# Altium PCB CHAHARDOLI-7 ADAD METAL.PcbDoc (part 5 of 10)
Units mm, origin at the board's own origin, x right, y up, seen from the top; angles counter-clockwise.
Board outline 151 x 86.38 mm, 2 copper layers (Top Layer, Bottom Layer); 1512 components, 81 nets, 3736 pads, 768 vias.
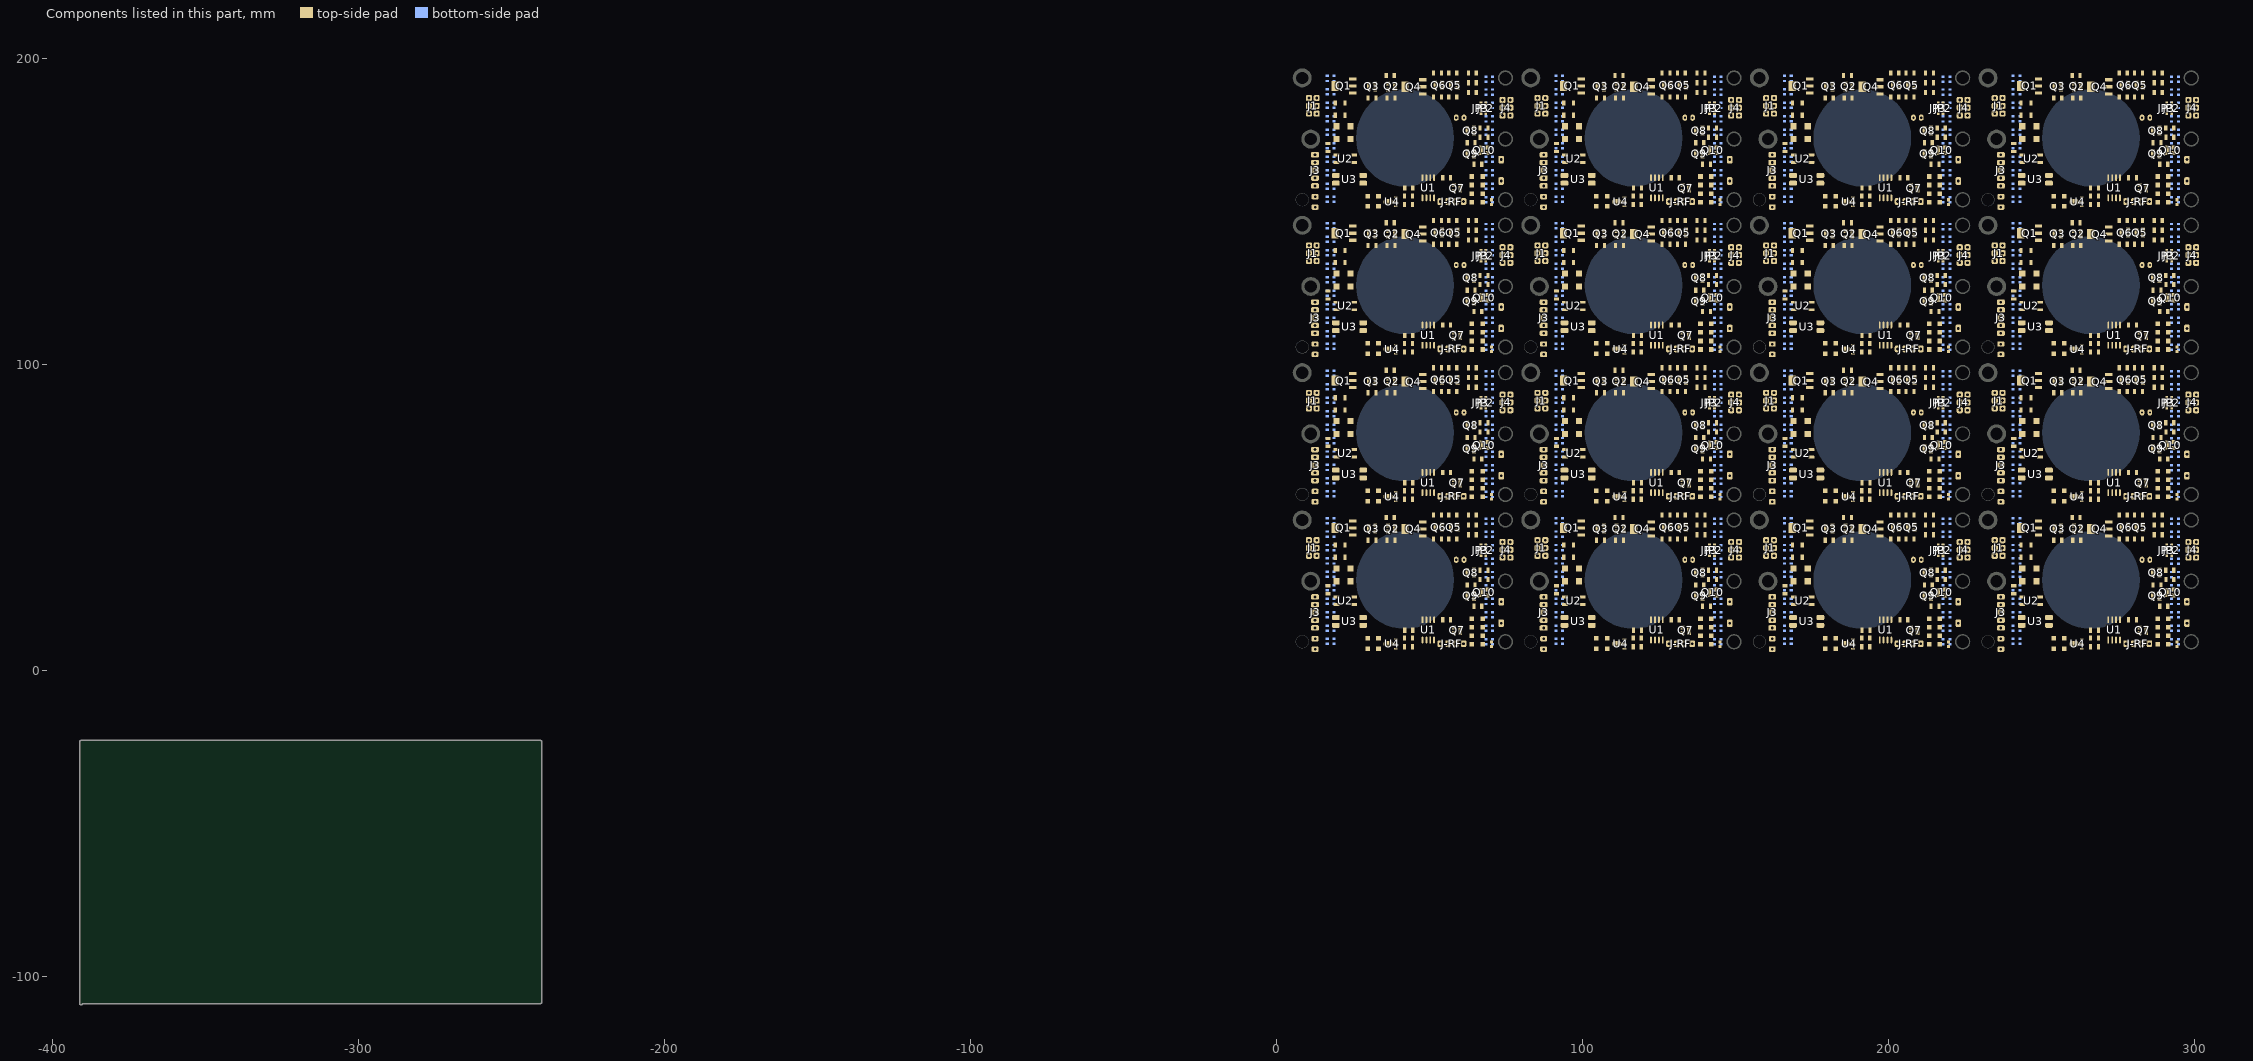
[diagram p5: the components of this part, seen from the top]

## Via types
v1: diameter 1.2, hole 0.6, Top Layer to Bottom Layer, 496 vias
v2: diameter 1, hole 0.6, Top Layer to Bottom Layer, 128 vias
v3: diameter 0.9, hole 0.6, Top Layer to Bottom Layer, 128 vias
v4: diameter 1.27, hole 0.6, Top Layer to Bottom Layer, 16 vias

## Nets (pads, with @x,y where several pads share a name; then routed paths per layer and width w, separated by ;. In a path a pad name is that pad's centre, name@x,y a point inside that pad or via, vN(x,y) a via of type N, cw(c..) or ccw(c..) an arc to the next point about the centre after c; other vN are vias at no path point) (continued)
copper on no net: (continued)
  Top Layer w0.5: 143.024,39.41 143.024,39.129 143.224,38.929 143.804,38.929 146.024,36.71 146.024,35.71 146.824,34.91 150.731,34.91 151.024,35.203 151.024,36.83 151.024,39.37 151.024,41.91 ; 143.024,87.555 143.024,87.275 143.224,87.075 143.804,87.075 146.024,84.855 146.024,83.855 146.824,83.055 150.731,83.055 151.024,83.348 151.024,84.975 151.024,87.515 151.024,90.055 ; 143.024,135.7 143.024,135.42 143.224,135.22 143.804,135.22 146.024,133 146.024,132 146.824,131.2 150.731,131.2 151.024,131.493 151.024,133.12 151.024,135.66 151.024,138.2 ; 143.024,183.845 143.024,183.565 143.224,183.365 143.804,183.365 146.024,181.145 146.024,180.145 146.824,179.345 150.731,179.345 151.024,179.638 151.024,181.265 151.024,183.805 151.024,186.345 ; 143.444,33.31 143.744,33.01 143.744,32.41 143.444,32.11 143.224,32.11 142.424,31.31 142.424,27.91 143.449,26.885 143.449,26.71 143.699,26.46 ; 143.724,29.71 143.892,29.542 143.892,28.442 147.774,24.56 149.374,24.56 150.224,23.71 150.224,21.41 148.17,19.356 148.17,18.456 v1(148.024,18.31) ; 143.724,77.855 143.892,77.687 143.892,76.587 147.774,72.705 149.374,72.705 150.224,71.855 150.224,69.555 148.17,67.501 148.17,66.601 v1(148.024,66.455) ; 143.724,126 143.892,125.832 143.892,124.732 147.774,120.85 149.374,120.85 150.224,120 150.224,117.7 148.17,115.646 148.17,114.746 v1(148.024,114.6) ; 143.724,174.145 143.892,173.978 143.892,172.877 147.774,168.995 149.374,168.995 150.224,168.145 150.224,165.845 148.17,163.791 148.17,162.891 v1(148.024,162.745) ; 144.824,9.31 144.824,14.11 146.124,15.41 148.024,15.41 ; 144.824,57.455 144.824,62.255 146.124,63.555 148.024,63.555 ; 144.824,105.6 144.824,110.4 146.124,111.7 148.024,111.7 ; 144.824,153.745 144.824,158.545 146.124,159.845 148.024,159.845 ; 156.312,46.91 156.312,37.71 157.244,36.777 157.25,36.777 v1@157.608,36.42 ; 156.312,95.055 156.312,85.855 157.244,84.922 157.25,84.922 v1@157.608,84.565 ; 156.312,143.2 156.312,134 157.244,133.067 157.25,133.067 v1@157.608,132.71 ; 156.312,191.345 156.312,182.145 157.244,181.213 157.25,181.213 v1@157.608,180.855 ; 156.512,47.71 156.56,47.662 156.56,46.91 ; 156.512,95.855 156.56,95.807 156.56,95.055 ; 156.512,144 156.56,143.952 156.56,143.2 ; 156.512,192.145 156.56,192.097 156.56,191.345 ; 160.512,28.91 163.112,28.91 163.169,28.852 164.17,28.852 165.387,27.636 165.712,27.636 ; 160.512,77.055 163.112,77.055 163.169,76.997 164.17,76.997 165.387,75.781 165.712,75.781 ; 160.512,125.2 163.112,125.2 163.169,125.143 164.17,125.143 165.387,123.926 165.712,123.926 ; 160.512,173.345 163.112,173.345 163.169,173.288 164.17,173.288 165.387,172.071 165.712,172.071 ; 161.912,16.37 163.962,16.37 164.512,16.92 164.512,20.11 165.912,21.51 168.912,21.51 ; 161.912,21.45 162.34,21.878 163.88,21.878 165.66,23.658 165.66,24.988 165.712,25.04 ; 161.912,23.99 162.204,23.99 162.838,24.625 162.838,25.036 164.112,26.31 169.512,26.31 170.712,27.51 170.712,31.51 169.662,32.56 169.462,32.56 168.712,33.31 ; 161.912,64.515 163.962,64.515 164.512,65.065 164.512,68.255 165.912,69.655 168.912,69.655 ; 161.912,69.595 162.34,70.023 163.88,70.023 165.66,71.803 165.66,73.133 165.712,73.185 ; 161.912,72.135 162.204,72.135 162.838,72.77 162.838,73.181 164.112,74.455 169.512,74.455 170.712,75.655 170.712,79.655 169.662,80.705 169.462,80.705 168.712,81.455 ; 161.912,112.66 163.962,112.66 164.512,113.21 164.512,116.4 165.912,117.8 168.912,117.8 ; 161.912,117.74 162.34,118.169 163.88,118.169 165.66,119.948 165.66,121.278 165.712,121.33 ; 161.912,120.28 162.204,120.28 162.838,120.915 162.838,121.327 164.112,122.6 169.512,122.6 170.712,123.8 170.712,127.8 169.662,128.85 169.462,128.85 168.712,129.6 ; 161.912,160.805 163.962,160.805 164.512,161.355 164.512,164.545 165.912,165.945 168.912,165.945 ; 161.912,165.885 162.34,166.314 163.88,166.314 165.66,168.093 165.66,169.423 165.712,169.475 ; 161.912,168.425 162.204,168.425 162.838,169.06 162.838,169.472 164.112,170.745 169.512,170.745 170.712,171.945 170.712,175.945 169.662,176.995 169.462,176.995 168.712,177.745 ; 168.074,17.31 171.312,17.31 173.112,15.51 173.112,12.71 ; 168.074,65.455 171.312,65.455 173.112,63.655 173.112,60.855 ; 168.074,113.6 171.312,113.6 173.112,111.8 173.112,109 ; 168.074,161.745 171.312,161.745 173.112,159.945 173.112,157.145 ; 168.092,15.11 168.692,14.51 v1(171.312,14.51) ; 168.092,63.255 168.692,62.655 v1(171.312,62.655) ; 168.092,111.4 168.692,110.8 v1(171.312,110.8) ; 168.092,159.545 168.692,158.945 v1(171.312,158.945) ; 168.912,23.96 169.412,23.96 169.617,24.165 169.617,24.59 171.712,26.685 171.712,34.11 170.112,35.71 170.112,37.825 171.494,39.207 171.494,40.659 171.712,40.877 ; 168.912,72.105 169.412,72.105 169.617,72.31 169.617,72.735 171.712,74.83 171.712,82.255 170.112,83.855 170.112,85.97 171.494,87.352 171.494,88.804 171.712,89.022 ; 168.912,120.25 169.412,120.25 169.617,120.455 169.617,120.88 171.712,122.975 171.712,130.4 170.112,132 170.112,134.115 171.494,135.497 171.494,136.949 171.712,137.167 ; 168.912,168.395 169.412,168.395 169.617,168.6 169.617,169.025 171.712,171.12 171.712,178.545 170.112,180.145 170.112,182.26 171.494,183.642 171.494,185.094 171.712,185.312 ; 173.262,33.31 173.262,35.26 175.312,37.31 175.312,41.51 v1(176.312,42.51) ; 173.262,81.455 173.262,83.405 175.312,85.455 175.312,89.655 v1(176.312,90.655) ; 173.262,129.6 173.262,131.55 175.312,133.6 175.312,137.8 v1(176.312,138.8) ; 173.262,177.745 173.262,179.695 175.312,181.745 175.312,185.945 v1(176.312,186.945) ; 174.512,44.31 177.512,44.31 178.712,43.11 178.936,43.11 179.281,42.765 179.281,42.54 ; 174.512,92.455 177.512,92.455 178.712,91.255 178.936,91.255 179.281,90.91 179.281,90.685 ; 174.512,140.6 177.512,140.6 178.712,139.4 178.936,139.4 179.281,139.055 179.281,138.83 ; 174.512,188.745 177.512,188.745 178.712,187.545 178.936,187.545 179.281,187.2 179.281,186.976 ; v1(177.512,49.71) 179.112,49.71 181.312,47.51 181.337,47.51 181.437,47.41 181.437,47.385 181.687,47.135 181.687,46.96 ; v1(177.512,97.855) 179.112,97.855 181.312,95.655 181.337,95.655 181.437,95.555 181.437,95.53 181.687,95.28 181.687,95.105 ; v1(177.512,146) 179.112,146 181.312,143.8 181.337,143.8 181.437,143.7 181.437,143.675 181.687,143.425 181.687,143.25 ; v1(177.512,194.145) 179.112,194.145 181.312,191.945 181.337,191.945 181.437,191.845 181.437,191.82 181.687,191.57 181.687,191.395 ; 179.049,6.997 179.662,7.61 179.662,7.66 182.712,10.71 187.362,10.71 187.962,10.11 188.312,10.11 ; 179.049,55.142 179.662,55.755 179.662,55.805 182.712,58.855 187.362,58.855 187.962,58.255 188.312,58.255 ; 179.049,103.287 179.662,103.9 179.662,103.95 182.712,107 187.362,107 187.962,106.4 188.312,106.4 ; 179.049,151.432 179.662,152.045 179.662,152.095 182.712,155.145 187.362,155.145 187.962,154.545 188.312,154.545 ; 179.387,45.06 179.787,45.06 179.787,44.855 181.532,43.11 181.744,42.898 ; 179.387,93.205 179.787,93.205 179.787,93 181.532,91.255 181.744,91.043 ; 179.387,141.35 179.787,141.35 179.787,141.145 181.532,139.4 181.744,139.188 ; 179.387,189.495 179.787,189.495 179.787,189.291 181.532,187.545 181.744,187.333 ; 181.587,45.36 181.669,45.278 182.744,45.278 184.912,43.11 185.136,43.11 185.411,42.835 185.411,42.51 ; 181.587,93.505 181.669,93.423 182.744,93.423 184.912,91.255 185.136,91.255 185.411,90.98 185.411,90.655 ; 181.587,141.65 181.669,141.568 182.744,141.568 184.912,139.4 185.136,139.4 185.411,139.125 185.411,138.8 ; 181.587,189.795 181.669,189.713 182.744,189.713 184.912,187.545 185.136,187.545 185.411,187.27 185.411,186.945 ; 185.012,8.51 188.112,8.51 ; 185.012,56.655 188.112,56.655 ; 185.012,104.8 188.112,104.8 ; 185.012,152.945 188.112,152.945 ; 185.211,49.91 185.211,49.585 185.512,49.284 185.512,47.535 185.537,47.51 ; 185.211,98.055 185.211,97.73 185.512,97.429 185.512,95.68 185.537,95.655 ; 185.211,146.2 185.211,145.875 185.512,145.574 185.512,143.825 185.537,143.8 ; 185.211,194.345 185.211,194.02 185.512,193.72 185.512,191.97 185.537,191.945 ; 188.007,47.379 188.007,43.035 188.282,43.31 194.512,43.31 195.712,42.11 198.312,42.11 199.312,41.11 205.112,41.11 205.512,41.51 205.512,42.927 ; 188.007,95.524 188.007,91.18 188.282,91.455 194.512,91.455 195.712,90.255 198.312,90.255 199.312,89.255 205.112,89.255 205.512,89.655 205.512,91.072 ; 188.007,143.669 188.007,139.325 188.282,139.6 194.512,139.6 195.712,138.4 198.312,138.4 199.312,137.4 205.112,137.4 205.512,137.8 205.512,139.217 ; 188.007,191.814 188.007,187.47 188.282,187.745 194.512,187.745 195.712,186.545 198.312,186.545 199.312,185.545 205.112,185.545 205.512,185.945 205.512,187.362 ; 188.112,8.61 189.012,8.61 189.562,9.16 189.562,12.617 189.855,12.91 190.967,12.91 ; 188.112,56.755 189.012,56.755 189.562,57.305 189.562,60.762 189.855,61.055 190.967,61.055 ; 188.112,104.9 189.012,104.9 189.562,105.45 189.562,108.907 189.855,109.2 190.967,109.2 ; 188.112,153.045 189.012,153.045 189.562,153.595 189.562,157.052 189.855,157.345 190.967,157.345 ; 191.242,13.185 191.242,13.435 ; 191.242,61.33 191.242,61.58 ; 191.242,109.475 191.242,109.725 ; 191.242,157.62 191.242,157.87 ; 191.312,13.435 191.312,14.817 191.605,15.11 195.512,15.11 196.712,13.91 204.712,13.91 206.357,12.265 207.062,12.265 207.412,11.915 207.412,11.003 207.705,10.71 209.92,10.71 210.213,10.417 210.213,9.208 210.712,8.71 ; 191.312,61.58 191.312,62.962 191.605,63.255 195.512,63.255 196.712,62.055 204.712,62.055 206.357,60.41 207.062,60.41 207.412,60.06 207.412,59.148 207.705,58.855 209.92,58.855 210.213,58.562 210.213,57.353 210.712,56.855 ; 191.312,109.725 191.312,111.107 191.605,111.4 195.512,111.4 196.712,110.2 204.712,110.2 206.357,108.555 207.062,108.555 207.412,108.205 207.412,107.293 207.705,107 209.92,107 210.213,106.707 210.213,105.499 210.712,105 ; 191.312,157.87 191.312,159.252 191.605,159.545 195.512,159.545 196.712,158.345 204.712,158.345 206.357,156.7 207.062,156.7 207.412,156.35 207.412,155.438 207.705,155.145 209.92,155.145 210.213,154.852 210.213,153.644 210.712,153.145 ; 191.517,12.71 191.517,12.51 191.717,12.51 193.317,10.91 193.507,10.91 193.782,10.635 193.782,10.31 ; 191.517,60.855 191.517,60.655 191.717,60.655 193.317,59.055 193.507,59.055 193.782,58.78 193.782,58.455 ; 191.517,109 191.517,108.8 191.717,108.8 193.317,107.2 193.507,107.2 193.782,106.925 193.782,106.6 ; 191.517,157.145 191.517,156.945 191.717,156.945 193.317,155.345 193.507,155.345 193.782,155.07 193.782,154.745 ; 193.949,10.31 193.949,7.11 198.924,7.11 199.528,7.714 199.528,9.2 ; 193.949,58.455 193.949,55.255 198.924,55.255 199.528,55.859 199.528,57.345 ; 193.949,106.6 193.949,103.4 198.924,103.4 199.528,104.004 199.528,105.49 ; 193.949,154.745 193.949,151.545 198.924,151.545 199.528,152.149 199.528,153.635 ; 194.112,13.31 195.712,11.71 195.712,8.71 196.312,8.11 197.965,8.11 198.258,8.403 198.258,10.552 ; 194.112,61.455 195.712,59.855 195.712,56.855 196.312,56.255 197.965,56.255 198.258,56.548 198.258,58.697 ; 194.112,109.6 195.712,108 195.712,105 196.312,104.4 197.965,104.4 198.258,104.693 198.258,106.842 ; 194.112,157.745 195.712,156.145 195.712,153.145 196.312,152.545 197.965,152.545 198.258,152.838 198.258,154.987 ; 197.007,9.71 197.007,12.217 197.3,12.51 203.112,12.51 205.432,10.19 205.432,8.91 ; 197.007,57.855 197.007,60.362 197.3,60.655 203.112,60.655 205.432,58.335 205.432,57.055 ; 197.007,106 197.007,108.507 197.3,108.8 203.112,108.8 205.432,106.48 205.432,105.2 ; 197.007,154.145 197.007,156.652 197.3,156.945 203.112,156.945 205.432,154.625 205.432,153.345 ; 197.112,48.51 197.169,48.453 198.769,48.453 v1(199.312,47.91) ; 197.112,96.655 197.169,96.598 198.769,96.598 v1(199.312,96.055) ; 197.112,144.8 197.169,144.743 198.769,144.743 v1(199.312,144.2) ; 197.112,192.945 197.169,192.888 198.769,192.888 v1(199.312,192.345) ; 197.541,44.11 197.591,44.16 198.601,44.16 200.18,45.738 200.887,45.738 201.494,46.346 201.494,48.728 200.686,49.535 200.686,50.235 200.411,50.51 ; 197.541,92.255 197.591,92.305 198.601,92.305 200.18,93.883 200.887,93.883 201.494,94.491 201.494,96.873 200.686,97.68 200.686,98.38 200.411,98.655 ; 197.541,140.4 197.591,140.45 198.601,140.45 200.18,142.029 200.887,142.029 201.494,142.636 201.494,145.018 200.686,145.826 200.686,146.525 200.411,146.8 ; 197.541,188.545 197.591,188.595 198.601,188.595 200.18,190.174 200.887,190.174 201.494,190.781 201.494,193.163 200.686,193.971 200.686,194.67 200.411,194.945 ; 199.547,16.545 199.566,16.564 199.566,18.164 200.312,18.91 206.512,18.91 207.312,19.71 207.312,31.998 205.112,34.198 205.112,38.035 v1(207.712,40.635) ; 199.547,64.69 199.566,64.709 199.566,66.309 200.312,67.055 206.512,67.055 207.312,67.855 207.312,80.143 205.112,82.343 205.112,86.18 v1(207.712,88.78) ; 199.547,112.835 199.566,112.854 199.566,114.454 200.312,115.2 206.512,115.2 207.312,116 207.312,128.288 205.112,130.488 205.112,134.325 v1(207.712,136.925) ; 199.547,160.98 199.566,160.999 199.566,162.599 200.312,163.345 206.512,163.345 207.312,164.145 207.312,176.433 205.112,178.633 205.112,182.47 v1(207.712,185.07) ; 200.712,42.71 200.712,43.335 200.886,43.51 201.137,43.51 203.137,45.51 203.387,45.76 ; 200.712,90.855 200.712,91.481 200.886,91.655 201.137,91.655 203.137,93.655 203.387,93.905 ; 200.712,139 200.712,139.626 200.886,139.8 201.137,139.8 203.137,141.8 203.387,142.05 ; 200.712,187.145 200.712,187.771 200.886,187.945 201.137,187.945 203.137,189.945 203.387,190.195 ; 200.817,16.51 203.341,16.51 203.616,16.235 203.616,16.11 ; 200.817,64.655 203.341,64.655 203.616,64.38 203.616,64.255 ; 200.817,112.8 203.341,112.8 203.616,112.525 203.616,112.4 ; 200.817,160.945 203.341,160.945 203.616,160.67 203.616,160.545 ; 203.207,50.71 205.31,50.71 205.557,50.66 205.573,50.51 205.611,50.472 205.611,50.71 ; 203.207,98.855 205.31,98.855 205.557,98.805 205.573,98.655 205.611,98.617 205.611,98.855 ; 203.207,147 205.31,147 205.557,146.95 205.573,146.8 205.611,146.762 205.611,147 ; 203.207,195.145 205.31,195.145 205.557,195.095 205.573,194.945 205.611,194.907 205.611,195.145 ; 203.312,43.339 203.482,43.51 205.432,45.46 206.287,45.46 206.555,45.728 206.555,48.553 207.932,49.93 207.932,50.435 208.207,50.71 ; 203.312,47.71 203.512,47.91 203.669,47.91 204.269,48.51 v1(204.312,48.51) ; 203.312,91.485 203.482,91.655 205.432,93.605 206.287,93.605 206.555,93.873 206.555,96.698 207.932,98.075 207.932,98.58 208.207,98.855 ; 203.312,95.855 203.512,96.055 203.669,96.055 204.269,96.655 v1(204.312,96.655) ; 203.312,139.63 203.482,139.8 205.432,141.75 206.287,141.75 206.555,142.018 206.555,144.843 207.932,146.22 207.932,146.725 208.207,147 ; 203.312,144 203.512,144.2 203.669,144.2 204.269,144.8 v1(204.312,144.8) ; 203.312,187.775 203.482,187.945 205.432,189.895 206.287,189.895 206.555,190.163 206.555,192.988 207.932,194.366 207.932,194.87 208.207,195.145 ; 203.312,192.145 203.512,192.345 203.669,192.345 204.269,192.945 v1(204.312,192.945) ; 205.486,51.31 205.712,51.31 206.712,52.31 226.96,52.31 227.362,51.908 227.362,17.36 v1(226.912,16.91) ; 205.486,99.455 205.712,99.455 206.712,100.455 226.96,100.455 227.362,100.053 227.362,65.505 v1(226.912,65.055) ; 205.486,147.6 205.712,147.6 206.712,148.6 226.96,148.6 227.362,148.199 227.362,113.65 v1(226.912,113.2) ; 205.486,195.745 205.712,195.745 206.712,196.745 226.96,196.745 227.362,196.344 227.362,161.795 v1(226.912,161.345) ; 206.212,16.51 206.312,16.41 206.312,14.985 207.237,14.06 ; 206.212,64.655 206.312,64.555 206.312,63.13 207.237,62.205 ; 206.212,112.8 206.312,112.701 206.312,111.275 207.237,110.35 ; 206.212,160.945 206.312,160.846 206.312,159.42 207.237,158.495 ; 208.042,36.11 208.042,35.58 209.312,34.31 217.132,34.31 218.132,33.31 218.432,33.01 218.432,32.41 218.132,32.11 217.912,32.11 217.112,31.31 217.112,27.91 218.137,26.885 218.137,26.71 218.387,26.46 ; 208.042,84.255 208.042,83.725 209.312,82.455 217.132,82.455 218.132,81.455 218.432,81.155 218.432,80.555 218.132,80.255 217.912,80.255 217.112,79.455 217.112,76.055 218.137,75.03 218.137,74.855 218.387,74.605 ; 208.042,132.4 208.042,131.87 209.312,130.6 217.132,130.6 218.132,129.6 218.432,129.3 218.432,128.7 218.132,128.4 217.912,128.4 217.112,127.6 217.112,124.2 218.137,123.175 218.137,123 218.387,122.75 ; 208.042,180.545 208.042,180.015 209.312,178.745 217.132,178.745 218.132,177.745 218.432,177.445 218.432,176.845 218.132,176.545 217.912,176.545 217.112,175.745 217.112,172.345 218.137,171.32 218.137,171.145 218.387,170.895 ; 208.312,42.465 208.312,45.285 208.387,45.36 208.387,45.76 ; 208.312,90.61 208.312,93.43 208.387,93.505 208.387,93.905 ; 208.312,138.755 208.312,141.575 208.387,141.65 208.387,142.05 ; 208.312,186.9 208.312,189.72 208.387,189.795 208.387,190.195 ; 208.387,47.66 208.555,47.828 208.555,48.553 209.901,49.899 209.901,50.499 v1(210.112,50.71) ; 208.387,95.805 208.555,95.973 208.555,96.698 209.901,98.044 209.901,98.644 v1(210.112,98.855) ; 208.387,143.95 208.555,144.118 208.555,144.843 209.901,146.19 209.901,146.789 v1(210.112,147) ; 208.387,192.095 208.555,192.263 208.555,192.988 209.901,194.335 209.901,194.935 v1(210.112,195.145) ; v1(208.712,15.51) 208.712,15.212 209.037,14.887 209.037,12.819 209.312,12.544 ; v1(208.712,63.655) 208.712,63.357 209.037,63.032 209.037,60.964 209.312,60.689 ; v1(208.712,111.8) 208.712,111.502 209.037,111.177 209.037,109.109 209.312,108.834 ; v1(208.712,159.945) 208.712,159.647 209.037,159.322 209.037,157.254 209.312,156.979 ; v1(210.112,24.11) 211.437,24.11 211.637,24.31 ; v1(210.112,27.11) 210.312,27.31 211.502,27.31 211.607,27.415 ; v1(210.112,45.51) 210.112,48.11 212.045,50.043 ; v1(210.112,72.255) 211.437,72.255 211.637,72.455 ; v1(210.112,75.255) 210.312,75.455 211.502,75.455 211.607,75.56 ; v1(210.112,93.655) 210.112,96.255 212.045,98.188 ; v1(210.112,120.4) 211.437,120.4 211.637,120.6 ; v1(210.112,123.4) 210.312,123.6 211.502,123.6 211.607,123.705 ; v1(210.112,141.8) 210.112,144.4 212.045,146.334 ; v1(210.112,168.545) 211.437,168.545 211.637,168.745 ; v1(210.112,171.545) 210.312,171.745 211.502,171.745 211.607,171.85 ; v1(210.112,189.945) 210.112,192.545 212.045,194.479 ; 210.77,8.768 211.002,8.535 211.002,7.203 211.295,6.91 215.912,6.91 216.312,7.31 216.312,8.56 216.762,9.01 218.019,9.01 218.312,9.303 218.312,13.417 218.019,13.71 216.662,13.71 ; 210.77,56.913 211.002,56.681 211.002,55.348 211.295,55.055 215.912,55.055 216.312,55.455 216.312,56.705 216.762,57.155 218.019,57.155 218.312,57.448 218.312,61.562 218.019,61.855 216.662,61.855 ; 210.77,105.058 211.002,104.826 211.002,103.493 211.295,103.2 215.912,103.2 216.312,103.6 216.312,104.85 216.762,105.3 218.019,105.3 218.312,105.593 218.312,109.707 218.019,110 216.662,110 ; 210.77,153.203 211.002,152.971 211.002,151.638 211.295,151.345 215.912,151.345 216.312,151.745 216.312,152.995 216.762,153.445 218.019,153.445 218.312,153.738 218.312,157.852 218.019,158.145 216.662,158.145 ; v1(210.912,38.71) 211.108,38.514 211.908,38.514 212.712,37.71 217.807,37.71 ; v1(210.912,86.855) 211.108,86.659 211.908,86.659 212.712,85.855 217.807,85.855 ; v1(210.912,135) 211.108,134.804 211.908,134.804 212.712,134 217.807,134 ; v1(210.912,183.145) 211.108,182.949 211.908,182.949 212.712,182.145 217.807,182.145 ; v1(211.46,19.232) 211.688,19.232 212.01,18.91 219.512,18.91 222.312,21.71 222.312,21.81 ; v1(211.46,67.377) 211.688,67.377 212.01,67.055 219.512,67.055 222.312,69.855 222.312,69.955 ; v1(211.46,115.522) 211.688,115.522 212.01,115.2 219.512,115.2 222.312,118 222.312,118.1 ; v1(211.46,163.667) 211.688,163.667 212.01,163.345 219.512,163.345 222.312,166.145 222.312,166.245 ; 211.712,31.71 211.38,32.042 209.18,32.042 206.312,34.91 206.312,36.96 211.711,42.36 214.262,42.36 215.462,41.16 216.062,41.16 216.112,41.11 217.312,41.11 ; 211.712,79.855 211.38,80.187 209.18,80.187 206.312,83.055 206.312,85.105 211.711,90.505 214.262,90.505 215.462,89.305 216.062,89.305 216.112,89.255 217.312,89.255 ; 211.712,128 211.38,128.332 209.18,128.332 206.312,131.2 206.312,133.25 211.711,138.65 214.262,138.65 215.462,137.45 216.062,137.45 216.112,137.4 217.312,137.4 ; 211.712,176.145 211.38,176.477 209.18,176.477 206.312,179.345 206.312,181.396 211.711,186.795 214.262,186.795 215.462,185.595 216.062,185.595 216.112,185.545 217.312,185.545 ; 212.016,43.91 212.282,44.175 212.282,45.08 213.012,45.81 217.012,45.81 217.512,45.31 217.512,43.51 219.312,41.71 219.312,40.11 221.998,37.424 222.578,37.424 223.172,36.83 ; 212.016,92.055 212.282,92.32 212.282,93.225 213.012,93.955 217.012,93.955 217.512,93.455 217.512,91.655 219.312,89.855 219.312,88.255 221.998,85.569 222.578,85.569 223.172,84.975 ; 212.016,140.2 212.282,140.466 212.282,141.37 213.012,142.1 217.012,142.1 217.512,141.6 217.512,139.8 219.312,138 219.312,136.4 221.998,133.714 222.578,133.714 223.172,133.12 ; 212.016,188.345 212.282,188.611 212.282,189.515 213.012,190.245 217.012,190.245 217.512,189.745 217.512,187.945 219.312,186.145 219.312,184.545 221.998,181.859 222.578,181.859 223.172,181.265 ; 212.112,47.381 212.112,47.93 212.291,48.11 212.312,48.11 213.312,49.11 217.312,49.11 218.512,47.91 218.512,44.03 220.912,41.63 220.912,40.71 221.828,39.794 222.748,39.794 223.172,39.37 ; 212.112,95.526 212.112,96.075 212.291,96.255 212.312,96.255 213.312,97.255 217.312,97.255 218.512,96.055 218.512,92.175 220.912,89.775 220.912,88.855 221.828,87.939 222.748,87.939 223.172,87.515 ; 212.112,143.671 212.112,144.22 212.291,144.4 212.312,144.4 213.312,145.4 217.312,145.4 218.512,144.2 218.512,140.32 220.912,137.92 220.912,137 221.828,136.084 222.748,136.084 223.172,135.66 ; 212.112,191.816 212.112,192.366 212.291,192.545 212.312,192.545 213.312,193.545 217.312,193.545 218.512,192.345 218.512,188.465 220.912,186.065 220.912,185.145 221.828,184.229 222.748,184.229 223.172,183.805 ; 212.762,11.71 212.662,11.81 212.262,11.81 211.312,12.76 211.312,15.11 208.312,18.11 208.312,29.417 208.605,29.71 213.712,29.71 ; 212.762,59.855 212.662,59.955 212.262,59.955 211.312,60.905 211.312,63.255 208.312,66.255 208.312,77.562 208.605,77.855 213.712,77.855 ; 212.762,108 212.662,108.1 212.262,108.1 211.312,109.05 211.312,111.4 208.312,114.4 208.312,125.707 208.605,126 213.712,126 ; 212.762,156.145 212.662,156.245 212.262,156.245 211.312,157.195 211.312,159.545 208.312,162.545 208.312,173.852 208.605,174.145 213.712,174.145 ; v1(212.912,40.91) 212.912,40.71 214.112,39.51 215.912,39.51 216.012,39.41 216.112,39.41 ; v1(212.912,89.055) 212.912,88.855 214.112,87.655 215.912,87.655 216.012,87.555 216.112,87.555 ; v1(212.912,137.2) 212.912,137 214.112,135.8 215.912,135.8 216.012,135.7 216.112,135.7 ; v1(212.912,185.345) 212.912,185.145 214.112,183.945 215.912,183.945 216.012,183.845 216.112,183.845 ; 212.967,13.965 213.612,14.61 213.812,14.61 215.612,16.41 216.162,16.41 216.262,16.51 216.262,16.91 ; 212.967,62.11 213.612,62.755 213.812,62.755 215.612,64.555 216.162,64.555 216.262,64.655 216.262,65.055 ; 212.967,110.255 213.612,110.9 213.812,110.9 215.612,112.7 216.162,112.7 216.262,112.8 216.262,113.2 ; 212.967,158.4 213.612,159.045 213.812,159.045 215.612,160.845 216.162,160.845 216.262,160.945 216.262,161.345 ; 213.077,16.91 211.112,16.91 209.712,18.31 209.712,20.699 210.133,21.12 v1(210.133,21.31) 213.541,21.31 213.816,21.035 213.816,20.91 ; 213.077,65.055 211.112,65.055 209.712,66.455 209.712,68.844 210.133,69.265 v1(210.133,69.455) 213.541,69.455 213.816,69.18 213.816,69.055 ; 213.077,113.2 211.112,113.2 209.712,114.6 209.712,116.989 210.133,117.411 v1(210.133,117.6) 213.541,117.6 213.816,117.325 213.816,117.2 ; 213.077,161.345 211.112,161.345 209.712,162.745 209.712,165.134 210.133,165.556 v1(210.133,165.745) 213.541,165.745 213.816,165.47 213.816,165.345 ; 213.162,8.51 213.662,9.01 213.762,9.01 215.582,10.829 216.162,10.829 216.262,10.929 216.262,11.51 ; 213.162,56.655 213.662,57.155 213.762,57.155 215.582,58.975 216.162,58.975 216.262,59.075 216.262,59.655 ; 213.162,104.8 213.662,105.3 213.762,105.3 215.582,107.12 216.162,107.12 216.262,107.22 216.262,107.8 ; 213.162,152.945 213.662,153.445 213.762,153.445 215.582,155.265 216.162,155.265 216.262,155.365 216.262,155.945 ; 213.599,32.71 215.811,32.71 ; 213.599,80.855 215.811,80.855 ; 213.599,129 215.811,129 ; 213.599,177.145 215.811,177.145 ; 213.712,20.971 213.712,23.492 ; 213.712,69.116 213.712,71.637 ; 213.712,117.261 213.712,119.782 ; 213.712,165.406 213.712,167.928 ; 213.787,30.96 213.712,30.885 213.712,29.71 ; 213.787,79.105 213.712,79.03 213.712,77.855 ; 213.787,127.25 213.712,127.175 213.712,126 ; 213.787,175.395 213.712,175.32 213.712,174.145 ; 213.912,25.51 213.912,28.248 ; 213.912,73.655 213.912,76.393 ; 213.912,121.8 213.912,124.539 ; 213.912,169.945 213.912,172.684 ; 214.607,50.71 214.807,50.51 217.912,50.51 219.512,48.91 219.512,44.51 221.758,42.264 222.818,42.264 223.172,41.91 ; 214.607,98.855 214.807,98.655 217.912,98.655 219.512,97.055 219.512,92.655 221.758,90.409 222.818,90.409 223.172,90.055 ; 214.607,147 214.807,146.8 217.912,146.8 219.512,145.2 219.512,140.8 221.758,138.554 222.818,138.554 223.172,138.2 ; 214.607,195.145 214.807,194.945 217.912,194.945 219.512,193.345 219.512,188.945 221.758,186.699 222.818,186.699 223.172,186.345 ; 214.612,44.31 v1(215.912,44.31) ; 214.612,92.455 v1(215.912,92.455) ; 214.612,140.6 v1(215.912,140.6) ; 214.612,188.745 v1(215.912,188.745) ; 214.747,47.244 214.812,47.31 v1(215.912,47.31) ; 214.747,95.389 214.812,95.455 v1(215.912,95.455) ; 214.747,143.534 214.812,143.6 v1(215.912,143.6) ; 214.747,191.679 214.812,191.745 v1(215.912,191.745) ; 215.512,29.71 213.712,29.71 ; 215.512,77.855 213.712,77.855 ; 215.512,126 213.712,126 ; 215.512,174.145 213.712,174.145 ; 215.816,29.71 215.816,26.653 215.887,26.582 215.887,24.885 215.912,24.86 ; 215.816,77.855 215.816,74.798 215.887,74.727 215.887,73.03 215.912,73.005 ; 215.816,126 215.816,122.943 215.887,122.873 215.887,121.175 215.912,121.15 ; 215.816,174.145 215.816,171.088 215.887,171.018 215.887,169.32 215.912,169.295 ; 216.112,20.31 216.112,21.11 218.205,23.203 218.205,24.403 218.312,24.51 ; 216.112,68.455 216.112,69.255 218.205,71.348 218.205,72.548 218.312,72.655 ; 216.112,116.6 216.112,117.4 218.205,119.493 218.205,120.693 218.312,120.8 ; 216.112,164.745 216.112,165.545 218.205,167.638 218.205,168.838 218.312,168.945 ; 217.712,39.41 217.712,39.129 217.912,38.929 218.492,38.929 220.712,36.71 220.712,35.71 221.512,34.91 225.419,34.91 225.712,35.203 225.712,36.83 225.712,39.37 225.712,41.91 ; 217.712,87.555 217.712,87.275 217.912,87.075 218.492,87.075 220.712,84.855 220.712,83.855 221.512,83.055 225.419,83.055 225.712,83.348 225.712,84.975 225.712,87.515 225.712,90.055 ; 217.712,135.7 217.712,135.42 217.912,135.22 218.492,135.22 220.712,133 220.712,132 221.512,131.2 225.419,131.2 225.712,131.493 225.712,133.12 225.712,135.66 225.712,138.2 ; 217.712,183.845 217.712,183.565 217.912,183.365 218.492,183.365 220.712,181.145 220.712,180.145 221.512,179.345 225.419,179.345 225.712,179.638 225.712,181.265 225.712,183.805 225.712,186.345 ; 218.412,29.71 218.58,29.542 218.58,28.442 222.462,24.56 224.062,24.56 224.912,23.71 224.912,21.41 222.858,19.356 222.858,18.456 v1(222.712,18.31) ; 218.412,77.855 218.58,77.687 218.58,76.587 222.462,72.705 224.062,72.705 224.912,71.855 224.912,69.555 222.858,67.501 222.858,66.601 v1(222.712,66.455) ; 218.412,126 218.58,125.832 218.58,124.732 222.462,120.85 224.062,120.85 224.912,120 224.912,117.7 222.858,115.646 222.858,114.746 v1(222.712,114.6) ; 218.412,174.145 218.58,173.978 218.58,172.877 222.462,168.995 224.062,168.995 224.912,168.145 224.912,165.845 222.858,163.791 222.858,162.891 v1(222.712,162.745) ; 219.512,9.31 219.512,14.11 220.812,15.41 222.712,15.41 ; 219.512,57.455 219.512,62.255 220.812,63.555 222.712,63.555 ; 219.512,105.6 219.512,110.4 220.812,111.7 222.712,111.7 ; 219.512,153.745 219.512,158.545 220.812,159.845 222.712,159.845 ; 231,46.91 231,37.71 231.933,36.777 231.938,36.777 v1@232.296,36.42 ; 231,95.055 231,85.855 231.933,84.922 231.938,84.922 v1@232.296,84.565 ; 231,143.2 231,134 231.933,133.067 231.938,133.067 v1@232.296,132.71 ; 231,191.345 231,182.145 231.933,181.213 231.938,181.213 v1@232.296,180.855 ; 231.2,47.71 231.248,47.662 231.248,46.91 ; 231.2,95.855 231.248,95.807 231.248,95.055 ; 231.2,144 231.248,143.952 231.248,143.2 ; 231.2,192.145 231.248,192.097 231.248,191.345 ; 235.2,28.91 237.8,28.91 237.857,28.852 238.858,28.852 240.075,27.636 240.4,27.636 ; 235.2,77.055 237.8,77.055 237.857,76.998 238.858,76.998 240.075,75.781 240.4,75.781 ; 235.2,125.2 237.8,125.2 237.857,125.143 238.858,125.143 240.075,123.926 240.4,123.926 ; 235.2,173.345 237.8,173.345 237.857,173.288 238.858,173.288 240.075,172.071 240.4,172.071 ; 236.6,16.37 238.65,16.37 239.2,16.92 239.2,20.11 240.6,21.51 243.6,21.51 ; 236.6,21.45 237.029,21.878 238.569,21.878 240.348,23.658 240.348,24.988 240.4,25.04 ; 236.6,23.99 236.892,23.99 237.527,24.625 237.527,25.036 238.8,26.31 244.2,26.31 245.4,27.51 245.4,31.51 244.35,32.56 244.15,32.56 243.4,33.31 ; 236.6,64.515 238.65,64.515 239.2,65.065 239.2,68.255 240.6,69.655 243.6,69.655 ; 236.6,69.595 237.029,70.023 238.569,70.023 240.348,71.803 240.348,73.133 240.4,73.185 ; 236.6,72.135 236.892,72.135 237.527,72.77 237.527,73.181 238.8,74.455 244.2,74.455 245.4,75.655 245.4,79.655 244.35,80.705 244.15,80.705 243.4,81.455 ; 236.6,112.66 238.65,112.66 239.2,113.21 239.2,116.4 240.6,117.8 243.6,117.8 ; 236.6,117.74 237.029,118.169 238.569,118.169 240.348,119.948 240.348,121.278 240.4,121.33 ; 236.6,120.28 236.892,120.28 237.527,120.915 237.527,121.327 238.8,122.6 244.2,122.6 245.4,123.8 245.4,127.8 244.35,128.85 244.15,128.85 243.4,129.6 ; 236.6,160.805 238.65,160.805 239.2,161.355 239.2,164.545 240.6,165.945 243.6,165.945 ; 236.6,165.885 237.029,166.314 238.569,166.314 240.348,168.093 240.348,169.423 240.4,169.475 ; 236.6,168.425 236.892,168.425 237.527,169.06 237.527,169.472 238.8,170.745 244.2,170.745 245.4,171.945 245.4,175.945 244.35,176.995 244.15,176.995 243.4,177.745 ; 242.762,17.31 246,17.31 247.8,15.51 247.8,12.71 ; 242.762,65.455 246,65.455 247.8,63.655 247.8,60.855 ; 242.762,113.6 246,113.6 247.8,111.8 247.8,109 ; 242.762,161.745 246,161.745 247.8,159.945 247.8,157.145 ; 242.78,15.11 243.38,14.51 v1(246,14.51) ; 242.78,63.255 243.38,62.655 v1(246,62.655) ; 242.78,111.4 243.38,110.8 v1(246,110.8) ; 242.78,159.545 243.38,158.945 v1(246,158.945) ; 243.6,23.96 244.1,23.96 244.305,24.165 244.305,24.59 246.4,26.685 246.4,34.11 244.8,35.71 244.8,37.825 246.182,39.207 246.182,40.659 246.4,40.877 ; 243.6,72.105 244.1,72.105 244.305,72.31 244.305,72.735 246.4,74.83 246.4,82.255 244.8,83.855 244.8,85.97 246.182,87.352 246.182,88.804 246.4,89.022 ; 243.6,120.25 244.1,120.25 244.305,120.455 244.305,120.88 246.4,122.975 246.4,130.4 244.8,132 244.8,134.115 246.182,135.497 246.182,136.949 246.4,137.167 ; 243.6,168.395 244.1,168.395 244.305,168.6 244.305,169.025 246.4,171.12 246.4,178.545 244.8,180.145 244.8,182.26 246.182,183.642 246.182,185.094 246.4,185.312 ; 247.95,33.31 247.95,35.26 250,37.31 250,41.51 v1(251,42.51) ; 247.95,81.455 247.95,83.405 250,85.455 250,89.655 v1(251,90.655) ; 247.95,129.6 247.95,131.55 250,133.6 250,137.8 v1(251,138.8) ; 247.95,177.745 247.95,179.695 250,181.745 250,185.945 v1(251,186.945) ; 249.2,44.31 252.2,44.31 253.4,43.11 253.624,43.11 253.97,42.765 253.97,42.54 ; 249.2,92.455 252.2,92.455 253.4,91.255 253.624,91.255 253.97,90.91 253.97,90.685 ; 249.2,140.6 252.2,140.6 253.4,139.4 253.624,139.4 253.97,139.055 253.97,138.83 ; 249.2,188.745 252.2,188.745 253.4,187.545 253.624,187.545 253.97,187.2 253.97,186.976 ; v1(252.2,49.71) 253.8,49.71 256,47.51 256.025,47.51 256.125,47.41 256.125,47.385 256.375,47.135 256.375,46.96 ; v1(252.2,97.855) 253.8,97.855 256,95.655 256.025,95.655 256.125,95.555 256.125,95.53 256.375,95.28 256.375,95.105 ; v1(252.2,146) 253.8,146 256,143.8 256.025,143.8 256.125,143.7 256.125,143.675 256.375,143.425 256.375,143.25 ; v1(252.2,194.145) 253.8,194.145 256,191.945 256.025,191.945 256.125,191.845 256.125,191.82 256.375,191.57 256.375,191.395 ; 253.737,6.997 254.35,7.61 254.35,7.66 257.4,10.71 262.05,10.71 262.65,10.11 263,10.11 ; 253.737,55.142 254.35,55.755 254.35,55.805 257.4,58.855 262.05,58.855 262.65,58.255 263,58.255 ; 253.737,103.287 254.35,103.9 254.35,103.95 257.4,107 262.05,107 262.65,106.4 263,106.4 ; 253.737,151.432 254.35,152.045 254.35,152.095 257.4,155.145 262.05,155.145 262.65,154.545 263,154.545 ; 254.075,45.06 254.475,45.06 254.475,44.855 256.22,43.11 256.432,42.898 ; 254.075,93.205 254.475,93.205 254.475,93 256.22,91.255 256.432,91.043 ; 254.075,141.35 254.475,141.35 254.475,141.145 256.22,139.4 256.432,139.188 ; 254.075,189.495 254.475,189.495 254.475,189.291 256.22,187.545 256.432,187.333 ; 256.275,45.36 256.357,45.278 257.432,45.278 259.6,43.11 259.824,43.11 260.099,42.835 260.099,42.51 ; 256.275,93.505 256.357,93.423 257.432,93.423 259.6,91.255 259.824,91.255 260.099,90.98 260.099,90.655 ; 256.275,141.65 256.357,141.568 257.432,141.568 259.6,139.4 259.824,139.4 260.099,139.125 260.099,138.8 ; 256.275,189.795 256.357,189.713 257.432,189.713 259.6,187.545 259.824,187.545 260.099,187.27 260.099,186.945 ; 259.7,8.51 262.8,8.51 ; 259.7,56.655 262.8,56.655 ; 259.7,104.8 262.8,104.8 ; 259.7,152.945 262.8,152.945 ; 259.899,49.91 259.899,49.585 260.2,49.284 260.2,47.535 260.225,47.51 ; 259.899,98.055 259.899,97.73 260.2,97.429 260.2,95.68 260.225,95.655 ; 259.899,146.2 259.899,145.875 260.2,145.574 260.2,143.825 260.225,143.8 ; 259.899,194.345 259.899,194.02 260.2,193.72 260.2,191.97 260.225,191.945 ; 262.695,47.379 262.695,43.035 262.97,43.31 269.2,43.31 270.4,42.11 273,42.11 274,41.11 279.8,41.11 280.2,41.51 280.2,42.927 ; 262.695,95.524 262.695,91.18 262.97,91.455 269.2,91.455 270.4,90.255 273,90.255 274,89.255 279.8,89.255 280.2,89.655 280.2,91.072 ; 262.695,143.669 262.695,139.325 262.97,139.6 269.2,139.6 270.4,138.4 273,138.4 274,137.4 279.8,137.4 280.2,137.8 280.2,139.217 ; 262.695,191.814 262.695,187.47 262.97,187.745 269.2,187.745 270.4,186.545 273,186.545 274,185.545 279.8,185.545 280.2,185.945 280.2,187.362 ; 262.8,8.61 263.7,8.61 264.25,9.16 264.25,12.617 264.543,12.91 265.655,12.91 ; 262.8,56.755 263.7,56.755 264.25,57.305 264.25,60.762 264.543,61.055 265.655,61.055 ; 262.8,104.9 263.7,104.9 264.25,105.45 264.25,108.907 264.543,109.2 265.655,109.2 ; 262.8,153.045 263.7,153.045 264.25,153.595 264.25,157.052 264.543,157.345 265.655,157.345 ; 265.93,13.185 265.93,13.435 ; 265.93,61.33 265.93,61.58 ; 265.93,109.475 265.93,109.725 ; 265.93,157.62 265.93,157.87 ; 266,13.435 266,14.817 266.293,15.11 270.2,15.11 271.4,13.91 279.4,13.91 281.045,12.265 281.75,12.265 282.1,11.915 282.1,11.003 282.393,10.71 284.609,10.71 284.901,10.417 284.901,9.208 285.4,8.71 ; 266,61.58 266,62.962 266.293,63.255 270.2,63.255 271.4,62.055 279.4,62.055 281.045,60.41 281.75,60.41 282.1,60.06 282.1,59.148 282.393,58.855 284.609,58.855 284.901,58.562 284.901,57.353 285.4,56.855 ; 266,109.725 266,111.107 266.293,111.4 270.2,111.4 271.4,110.2 279.4,110.2 281.045,108.555 281.75,108.555 282.1,108.205 282.1,107.293 282.393,107 284.609,107 284.901,106.707 284.901,105.499 285.4,105 ; 266,157.87 266,159.252 266.293,159.545 270.2,159.545 271.4,158.345 279.4,158.345 281.045,156.7 281.75,156.7 282.1,156.35 282.1,155.438 282.393,155.145 284.609,155.145 284.901,154.852 284.901,153.644 285.4,153.145 ; 266.205,12.71 266.205,12.51 266.405,12.51 268.005,10.91 268.195,10.91 268.47,10.635 268.47,10.31 ; 266.205,60.855 266.205,60.655 266.405,60.655 268.005,59.055 268.195,59.055 268.47,58.78 268.47,58.455 ; 266.205,109 266.205,108.8 266.405,108.8 268.005,107.2 268.195,107.2 268.47,106.925 268.47,106.6 ; 266.205,157.145 266.205,156.945 266.405,156.945 268.005,155.345 268.195,155.345 268.47,155.07 268.47,154.745 ; 268.638,10.31 268.638,7.11 273.612,7.11 274.216,7.714 274.216,9.2 ; 268.638,58.455 268.638,55.255 273.612,55.255 274.216,55.859 274.216,57.345 ; 268.638,106.6 268.638,103.4 273.612,103.4 274.216,104.004 274.216,105.49 ; 268.638,154.745 268.638,151.545 273.612,151.545 274.216,152.149 274.216,153.635 ; 268.8,13.31 270.4,11.71 270.4,8.71 271,8.11 272.653,8.11 272.946,8.403 272.946,10.552 ; 268.8,61.455 270.4,59.855 270.4,56.855 271,56.255 272.653,56.255 272.946,56.548 272.946,58.697 ; 268.8,109.6 270.4,108 270.4,105 271,104.4 272.653,104.4 272.946,104.693 272.946,106.842 ; 268.8,157.745 270.4,156.145 270.4,153.145 271,152.545 272.653,152.545 272.946,152.838 272.946,154.987 ; 271.695,9.71 271.695,12.217 271.988,12.51 277.8,12.51 280.12,10.19 280.12,8.91 ; 271.695,57.855 271.695,60.362 271.988,60.655 277.8,60.655 280.12,58.335 280.12,57.055 ; 271.695,106 271.695,108.507 271.988,108.8 277.8,108.8 280.12,106.48 280.12,105.2 ; 271.695,154.145 271.695,156.652 271.988,156.945 277.8,156.945 280.12,154.625 280.12,153.345 ; 271.8,48.51 271.857,48.453 273.457,48.453 v1(274,47.91) ; 271.8,96.655 271.857,96.598 273.457,96.598 v1(274,96.055) ; 271.8,144.8 271.857,144.743 273.457,144.743 v1(274,144.2) ; 271.8,192.945 271.857,192.888 273.457,192.888 v1(274,192.345) ; 272.229,44.11 272.279,44.16 273.289,44.16 274.868,45.738 275.575,45.738 276.182,46.346 276.182,48.728 275.374,49.535 275.374,50.235 275.099,50.51 ; 272.229,92.255 272.279,92.305 273.289,92.305 274.868,93.883 275.575,93.883 276.182,94.491 276.182,96.873 275.374,97.681 275.374,98.38 275.099,98.655 ; 272.229,140.4 272.279,140.45 273.289,140.45 274.868,142.029 275.575,142.029 276.182,142.636 276.182,145.018 275.374,145.826 275.374,146.525 275.099,146.8 ; 272.229,188.545 272.279,188.595 273.289,188.595 274.868,190.174 275.575,190.174 276.182,190.781 276.182,193.163 275.374,193.971 275.374,194.67 275.099,194.945 ; 274.235,16.545 274.254,16.564 274.254,18.164 275,18.91 281.2,18.91 282,19.71 282,31.998 279.8,34.198 279.8,38.035 v1(282.4,40.635) ; 274.235,64.69 274.254,64.709 274.254,66.309 275,67.055 281.2,67.055 282,67.855 282,80.143 279.8,82.343 279.8,86.18 v1(282.4,88.78) ; 274.235,112.835 274.254,112.854 274.254,114.454 275,115.2 281.2,115.2 282,116 282,128.288 279.8,130.488 279.8,134.325 v1(282.4,136.925) ; 274.235,160.98 274.254,160.999 274.254,162.599 275,163.345 281.2,163.345 282,164.145 282,176.433 279.8,178.633 279.8,182.47 v1(282.4,185.07) ; 275.4,42.71 275.4,43.335 275.574,43.51 275.825,43.51 277.825,45.51 278.075,45.76 ; 275.4,90.855 275.4,91.481 275.574,91.655 275.825,91.655 277.825,93.655 278.075,93.905 ; 275.4,139 275.4,139.626 275.574,139.8 275.825,139.8 277.825,141.8 278.075,142.05 ; 275.4,187.145 275.4,187.771 275.574,187.945 275.825,187.945 277.825,189.945 278.075,190.195 ; 275.505,16.51 278.03,16.51 278.305,16.235 278.305,16.11 ; 275.505,64.655 278.03,64.655 278.305,64.38 278.305,64.255 ; 275.505,112.8 278.03,112.8 278.305,112.525 278.305,112.4 ; 275.505,160.945 278.03,160.945 278.305,160.67 278.305,160.545 ; 277.895,50.71 279.998,50.71 280.245,50.66 280.261,50.51 280.299,50.472 280.299,50.71 ; 277.895,98.855 279.998,98.855 280.245,98.805 280.261,98.655 280.299,98.617 280.299,98.855 ; 277.895,147 279.998,147 280.245,146.95 280.261,146.8 280.299,146.762 280.299,147 ; 277.895,195.145 279.998,195.145 280.245,195.095 280.261,194.945 280.299,194.907 280.299,195.145 ; 278,43.339 278.17,43.51 280.12,45.46 280.975,45.46 281.243,45.728 281.243,48.553 282.62,49.93 282.62,50.435 282.895,50.71 ; 278,47.71 278.2,47.91 278.357,47.91 278.957,48.51 v1(279,48.51) ; 278,91.485 278.17,91.655 280.12,93.605 280.975,93.605 281.243,93.873 281.243,96.698 282.62,98.075 282.62,98.58 282.895,98.855 ; 278,95.855 278.2,96.055 278.357,96.055 278.957,96.655 v1(279,96.655) ; 278,139.63 278.17,139.8 280.12,141.75 280.975,141.75 281.243,142.018 281.243,144.843 282.62,146.22 282.62,146.725 282.895,147 ; 278,144 278.2,144.2 278.357,144.2 278.957,144.8 v1(279,144.8) ; 278,187.775 278.17,187.945 280.12,189.895 280.975,189.895 281.243,190.163 281.243,192.988 282.62,194.366 282.62,194.87 282.895,195.145 ; 278,192.145 278.2,192.345 278.357,192.345 278.957,192.945 v1(279,192.945) ; 280.174,51.31 280.4,51.31 281.4,52.31 301.649,52.31 302.05,51.908 302.05,17.36 v1(301.6,16.91) ; 280.174,99.455 280.4,99.455 281.4,100.455 301.649,100.455 302.05,100.053 302.05,65.505 v1(301.6,65.055) ; 280.174,147.6 280.4,147.6 281.4,148.6 301.649,148.6 302.05,148.199 302.05,113.65 v1(301.6,113.2) ; 280.174,195.745 280.4,195.745 281.4,196.745 301.649,196.745 302.05,196.344 302.05,161.795 v1(301.6,161.345) ; 280.901,16.51 281,16.41 281,14.985 281.925,14.06 ; 280.901,64.655 281,64.556 281,63.13 281.925,62.205 ; 280.901,112.8 281,112.701 281,111.275 281.925,110.35 ; 280.901,160.945 281,160.846 281,159.42 281.925,158.495 ; 282.73,36.11 282.73,35.58 284,34.31 291.82,34.31 292.82,33.31 293.12,33.01 293.12,32.41 292.82,32.11 292.6,32.11 291.8,31.31 291.8,27.91 292.825,26.885 292.825,26.71 293.075,26.46 ; 282.73,84.255 282.73,83.725 284,82.455 291.82,82.455 292.82,81.455 293.12,81.155 293.12,80.555 292.82,80.255 292.6,80.255 291.8,79.455 291.8,76.055 292.825,75.03 292.825,74.855 293.075,74.605 ; 282.73,132.4 282.73,131.87 284,130.6 291.82,130.6 292.82,129.6 293.12,129.3 293.12,128.7 292.82,128.4 292.6,128.4 291.8,127.6 291.8,124.2 292.825,123.175 292.825,123 293.075,122.75 ; 282.73,180.545 282.73,180.015 284,178.745 291.82,178.745 292.82,177.745 293.12,177.445 293.12,176.845 292.82,176.545 292.6,176.545 291.8,175.745 291.8,172.345 292.825,171.32 292.825,171.145 293.075,170.895 ; 283,42.465 283,45.285 283.075,45.36 283.075,45.76 ; 283,90.61 283,93.43 283.075,93.505 283.075,93.905 ; 283,138.755 283,141.575 283.075,141.65 283.075,142.05 ; 283,186.9 283,189.72 283.075,189.795 283.075,190.195 ; 283.075,47.66 283.243,47.828 283.243,48.553 284.59,49.899 284.59,50.499 v1(284.8,50.71) ; 283.075,95.805 283.243,95.973 283.243,96.698 284.59,98.044 284.59,98.644 v1(284.8,98.855) ; 283.075,143.95 283.243,144.118 283.243,144.843 284.59,146.19 284.59,146.789 v1(284.8,147) ; 283.075,192.095 283.243,192.263 283.243,192.988 284.59,194.335 284.59,194.935 v1(284.8,195.145) ; v1(283.4,15.51) 283.4,15.212 283.725,14.887 283.725,12.819 284,12.544 ; v1(283.4,63.655) 283.4,63.357 283.725,63.032 283.725,60.964 284,60.689 ; v1(283.4,111.8) 283.4,111.502 283.725,111.177 283.725,109.109 284,108.834 ; v1(283.4,159.945) 283.4,159.647 283.725,159.322 283.725,157.254 284,156.979 ; v1(284.8,24.11) 286.125,24.11 286.325,24.31 ; v1(284.8,27.11) 285,27.31 286.19,27.31 286.295,27.415 ; v1(284.8,45.51) 284.8,48.11 286.734,50.043 ; v1(284.8,72.255) 286.125,72.255 286.325,72.455 ; v1(284.8,75.255) 285,75.455 286.19,75.455 286.295,75.56 ; v1(284.8,93.655) 284.8,96.255 286.734,98.188 ; v1(284.8,120.4) 286.125,120.4 286.325,120.6 ; v1(284.8,123.4) 285,123.6 286.19,123.6 286.295,123.705 ; v1(284.8,141.8) 284.8,144.4 286.734,146.334 ; v1(284.8,168.545) 286.125,168.545 286.325,168.745 ; v1(284.8,171.545) 285,171.745 286.19,171.745 286.295,171.85 ; v1(284.8,189.945) 284.8,192.545 286.734,194.479 ; 285.458,8.768 285.69,8.535 285.69,7.203 285.983,6.91 290.6,6.91 291,7.31 291,8.56 291.45,9.01 292.707,9.01 293,9.303 293,13.417 292.707,13.71 291.35,13.71 ; 285.458,56.913 285.69,56.681 285.69,55.348 285.983,55.055 290.6,55.055 291,55.455 291,56.705 291.45,57.155 292.707,57.155 293,57.448 293,61.562 292.707,61.855 291.35,61.855 ; 285.458,105.058 285.69,104.826 285.69,103.493 285.983,103.2 290.6,103.2 291,103.6 291,104.85 291.45,105.3 292.707,105.3 293,105.593 293,109.707 292.707,110 291.35,110 ; 285.458,153.203 285.69,152.971 285.69,151.638 285.983,151.345 290.6,151.345 291,151.745 291,152.995 291.45,153.445 292.707,153.445 293,153.738 293,157.852 292.707,158.145 291.35,158.145 ; v1(285.6,38.71) 285.796,38.514 286.596,38.514 287.4,37.71 292.495,37.71 ; v1(285.6,86.855) 285.796,86.659 286.596,86.659 287.4,85.855 292.495,85.855 ; v1(285.6,135) 285.796,134.804 286.596,134.804 287.4,134 292.495,134 ; v1(285.6,183.145) 285.796,182.949 286.596,182.949 287.4,182.145 292.495,182.145 ; v1(286.148,19.232) 286.376,19.232 286.698,18.91 294.2,18.91 297,21.71 297,21.81 ; v1(286.148,67.377) 286.376,67.377 286.698,67.055 294.2,67.055 297,69.855 297,69.955 ; v1(286.148,115.522) 286.376,115.522 286.698,115.2 294.2,115.2 297,118 297,118.1 ; v1(286.148,163.667) 286.376,163.667 286.698,163.345 294.2,163.345 297,166.145 297,166.245 ; 286.4,31.71 286.068,32.042 283.868,32.042 281,34.91 281,36.96 286.4,42.36 288.95,42.36 290.15,41.16 290.75,41.16 290.8,41.11 292,41.11 ; 286.4,79.855 286.068,80.187 283.868,80.187 281,83.055 281,85.105 286.4,90.505 288.95,90.505 290.15,89.305 290.75,89.305 290.8,89.255 292,89.255 ; 286.4,128 286.068,128.332 283.868,128.332 281,131.2 281,133.25 286.4,138.65 288.95,138.65 290.15,137.45 290.75,137.45 290.8,137.4 292,137.4 ; 286.4,176.145 286.068,176.477 283.868,176.477 281,179.345 281,181.396 286.4,186.795 288.95,186.795 290.15,185.595 290.75,185.595 290.8,185.545 292,185.545 ; 286.705,43.91 286.97,44.175 286.97,45.08 287.7,45.81 291.7,45.81 292.2,45.31 292.2,43.51 294,41.71 294,40.11 296.686,37.424 297.266,37.424 297.86,36.83 ; 286.705,92.055 286.97,92.32 286.97,93.225 287.7,93.955 291.7,93.955 292.2,93.455 292.2,91.655 294,89.855 294,88.255 296.686,85.569 297.266,85.569 297.86,84.975 ; 286.705,140.2 286.97,140.466 286.97,141.37 287.7,142.1 291.7,142.1 292.2,141.6 292.2,139.8 294,138 294,136.4 296.686,133.714 297.266,133.714 297.86,133.12 ; 286.705,188.345 286.97,188.611 286.97,189.515 287.7,190.245 291.7,190.245 292.2,189.745 292.2,187.945 294,186.145 294,184.545 296.686,181.859 297.266,181.859 297.86,181.265 ; 286.8,47.381 286.8,47.93 286.98,48.11 287,48.11 288,49.11 292,49.11 293.2,47.91 293.2,44.03 295.6,41.63 295.6,40.71 296.516,39.794 297.436,39.794 297.86,39.37 ; 286.8,95.526 286.8,96.075 286.98,96.255 287,96.255 288,97.255 292,97.255 293.2,96.055 293.2,92.175 295.6,89.775 295.6,88.855 296.516,87.939 297.436,87.939 297.86,87.515 ; 286.8,143.671 286.8,144.22 286.98,144.4 287,144.4 288,145.4 292,145.4 293.2,144.2 293.2,140.32 295.6,137.92 295.6,137 296.516,136.084 297.436,136.084 297.86,135.66 ; 286.8,191.816 286.8,192.366 286.98,192.545 287,192.545 288,193.545 292,193.545 293.2,192.345 293.2,188.465 295.6,186.065 295.6,185.145 296.516,184.229 297.436,184.229 297.86,183.805 ; 287.45,11.71 287.35,11.81 286.95,11.81 286,12.76 286,15.11 283,18.11 283,29.417 283.293,29.71 288.4,29.71 ; 287.45,59.855 287.35,59.955 286.95,59.955 286,60.905 286,63.255 283,66.255 283,77.562 283.293,77.855 288.4,77.855 ; 287.45,108 287.35,108.1 286.95,108.1 286,109.05 286,111.4 283,114.4 283,125.707 283.293,126 288.4,126 ; 287.45,156.145 287.35,156.245 286.95,156.245 286,157.195 286,159.545 283,162.545 283,173.852 283.293,174.145 288.4,174.145 ; v1(287.6,40.91) 287.6,40.71 288.8,39.51 290.6,39.51 290.7,39.41 290.8,39.41 ; v1(287.6,89.055) 287.6,88.855 288.8,87.655 290.6,87.655 290.7,87.555 290.8,87.555 ; v1(287.6,137.2) 287.6,137 288.8,135.8 290.6,135.8 290.7,135.7 290.8,135.7 ; v1(287.6,185.345) 287.6,185.145 288.8,183.945 290.6,183.945 290.7,183.845 290.8,183.845 ; 287.655,13.965 288.3,14.61 288.5,14.61 290.3,16.41 290.85,16.41 290.95,16.51 290.95,16.91 ; 287.655,62.11 288.3,62.755 288.5,62.755 290.3,64.555 290.85,64.555 290.95,64.655 290.95,65.055 ; 287.655,110.255 288.3,110.9 288.5,110.9 290.3,112.7 290.85,112.7 290.95,112.8 290.95,113.2 ; 287.655,158.4 288.3,159.045 288.5,159.045 290.3,160.845 290.85,160.845 290.95,160.945 290.95,161.345 ; 287.765,16.91 285.8,16.91 284.4,18.31 284.4,20.699 284.821,21.12 v1(284.821,21.31) 288.23,21.31 288.505,21.035 288.505,20.91 ; 287.765,65.055 285.8,65.055 284.4,66.455 284.4,68.844 284.821,69.265 v1(284.821,69.455) 288.23,69.455 288.505,69.18 288.505,69.055 ; 287.765,113.2 285.8,113.2 284.4,114.6 284.4,116.989 284.821,117.411 v1(284.821,117.6) 288.23,117.6 288.505,117.325 288.505,117.2 ; 287.765,161.345 285.8,161.345 284.4,162.745 284.4,165.134 284.821,165.556 v1(284.821,165.745) 288.23,165.745 288.505,165.47 288.505,165.345 ; 287.85,8.51 288.35,9.01 288.45,9.01 290.27,10.829 290.85,10.829 290.95,10.929 290.95,11.51 ; 287.85,56.655 288.35,57.155 288.45,57.155 290.27,58.975 290.85,58.975 290.95,59.075 290.95,59.655 ; 287.85,104.8 288.35,105.3 288.45,105.3 290.27,107.12 290.85,107.12 290.95,107.22 290.95,107.8 ; 287.85,152.945 288.35,153.445 288.45,153.445 290.27,155.265 290.85,155.265 290.95,155.365 290.95,155.945 ; 288.287,32.71 290.499,32.71 ; 288.287,80.855 290.499,80.855 ; 288.287,129 290.499,129 ; 288.287,177.145 290.499,177.145 ; 288.4,20.971 288.4,23.492 ; 288.4,69.116 288.4,71.637